# Altium PCB BreakOutBoard_Cyclone.PcbDoc (part 1 of 6) (continued)
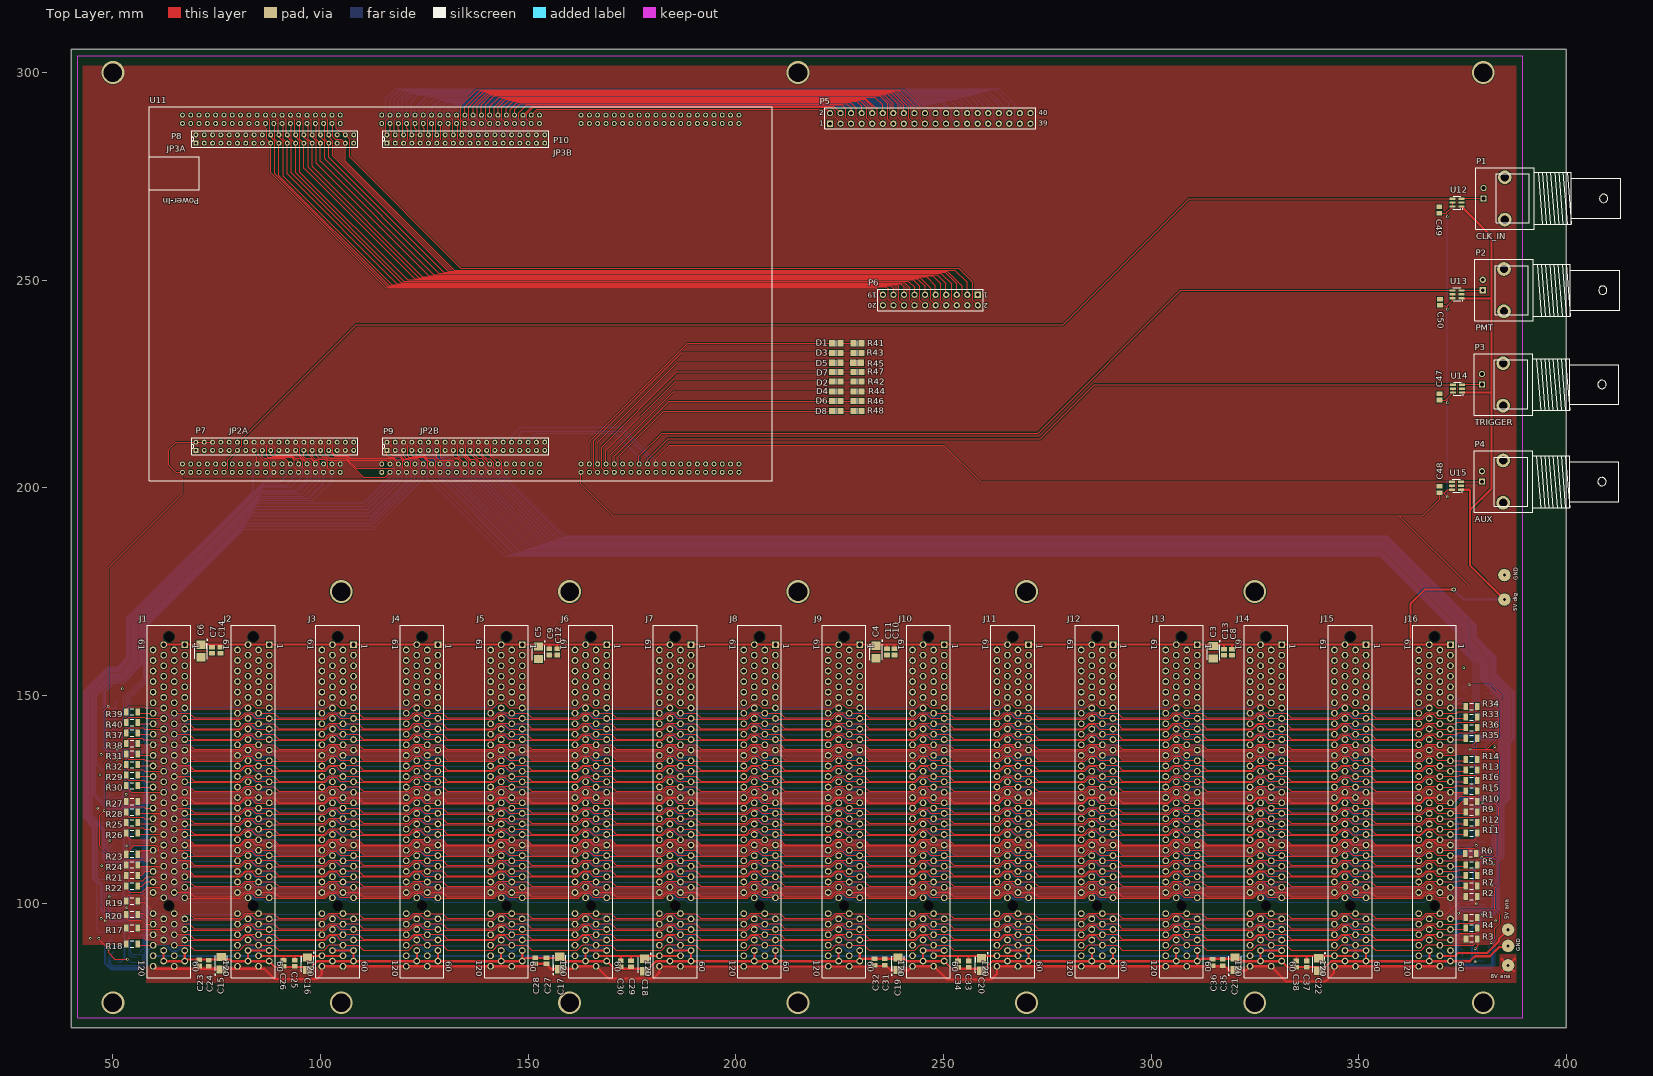
[diagram p0: Top Layer view]
## Part data
C1 C2 C7 C8 C9 C10 C11 C12 C13 C14 C23 C24 C25 C26 C27 C28 C29 C30 C31 C32 C33 C34 C35 C36 C37 C38 C39 C40 C41 C42 C43 C44 C45 C46 C47 C48 C49 C50: "Capacitor (Semiconductor SIM Model)"
C3 C4 C5 C6 C15 C16 C17 C18 C19 C20 C21 C22: "Polarized Capacitor (Radial)"
D1 D2 D3 D4 D5 D6 D7 D8: library part LED3, "Typical BLUE SiC LED"
J1 J2 J3 J4 J5 J6 J7 J8 J9 J10 J11 J12 J13 J14 J15 J16: "Connector Assembly, 60 Dual Position, 1.27 [.050] Series, Standard Edge"
P1 P2 P3 P4: library part BNC, "BNC Elbow Connector"
P5: library part "Header 20X2", "Header, 20-Pin, Dual row"
P6: library part "Header 10X2", "Header, 10-Pin, Dual row"
P7 P8 P9 P10: library part CONN_40_2mm, "2 mm connector 40 positions"
R1 R2 R3 R4 R5 R6 R7 R8 R9 R10 R11 R12 R13 R14 R15 R16 R17 R18 R19 R20 R21 R22 R23 R24 R25 R26 R27 R28 R29 R30 R31 R32 R33 R34 R35 R36 R37 R38 R39 R40: library part Res3, "Resistor"
R41 R42 R43 R44 R45 R46 R47 R48: "Resistor"
U1 U2: library part MAX3094, "Differential Line Receivers"
U3 U4 U5 U6 U7 U8 U9 U10: library part MAX3030, "Differential Line Transmitter"
U11: "ZEM4310 breakout module"
U12 U13 U14 U15: "Logic Translator (Bidirectional)"

## Free pads (board coordinates)
  round 3 hole 0.762: 0(385.1,173.1) 0(385.1,179) 0(386,85) 0(386,89.7) 0(386,93.6)

## Via types
v1: diameter 0.6, hole 0.3, Top Layer to Bottom Layer, 50 vias
v2: diameter 5.5, hole 4.5, Top Layer to Bottom Layer, 15 vias
v3: diameter 1, hole 0.5, Top Layer to Bottom Layer, 1 vias

## Nets (pads, with @x,y where several pads share a name; then routed paths per layer and width w, separated by ;. In a path a pad name is that pad's centre, name@x,y a point inside that pad or via, vN(x,y) a via of type N, cw(c..) or ccw(c..) an arc to the next point about the centre after c; other vN are vias at no path point)
3.3V_DIG: C1.1 C2.1 C39.1 C40.1 C41.1 C42.1 C43.1 C44.1 C45.1 C46.1 C47.2 C48.2 C49.2 C50.2 P7.2 P7.4 P7.6 U1.4 U1.12 U1.16 U2.4 U2.12 U2.16 U3.4 U3.16 U4.4 U4.16 U5.4 U5.16 U6.4 U6.16 U7.4 U7.16 U8.4 U8.16 U9.4 U9.16 U10.4 U10.16 U11.1A1 U11.1C1 U12.5 U12.6 U13.5 U13.6 U14.5 U14.6 U15.5 U15.6 | length 892.6
  Top Layer w0.127: v1(48.9,147.4) 49.4,146.9 v1(49.4,142.5)
  Top Layer w0.3: v1(48.2,95.7) 48.2,99 47.4,99.8 47.4,107.1 v1(48.6,108.3) 48.6,111.9 46.8,113.7 46.8,121.2 v1(47.9,122.3) 47.9,133.7 48.8,134.6 ; v1(50.9,134.6) 48.8,134.6 ; U11.1A1@66.7,203.8 U11.1A1@66.7,203.75 ; U11.1A1@66.75,203.75 U11.1A1@66.7,203.75 ; P7.6@74,211 65.2,211 63.5,209.3 63.5,205.4 65.15,203.75 U11.1A1@66.7,203.75 ; 162.7,202 66.7,202 ; U11.1C1@162.7,203.8 162.7,201 170.4,193.3 359.7,193.3 ; C47.2@369.4,221.1 370.875,221.1 371.287,221.512 ; C49.2@369.4,266.1 371,266.1 ; C48.2@369.5,198.8 369.5,197.3 365.5,193.3 359.7,193.3 ; C48.2@369.5,198.85 370.75,198.85 ; C50.2@369.6,243.9 371.3,243.9 372.625,245.225 U13.6@372.625,245.65 ; 371.3,243.8 371.4,243.7 v1(371.4,243) ; v1(371.4,197.8) 370.75,198.45 370.75,198.85 ; v1(371.4,220.5) 371.287,220.613 371.287,221.512 ; v1(371.4,265.3) 371.4,265.7 371,266.1 ; U15.6@372.4,199.5 U15.6@372.45,199.55 ; U15.5@372.525,200.5 372.4,200.375 372.4,199.6 371.5,199.6 370.75,198.85 ; U13.6@372.55,245.65 U13.6@372.625,245.65 ; U12.6@372.6,267.8 372.625,267.825 U12.5@372.625,268.7 ; U13.5@372.625,246.575 U13.6@372.625,245.65 ; U12.6@372.65,267.75 371,266.1 ; U14.6@372.725,222.95 371.287,221.512 ; U14.6@372.75,222.95 U14.5@372.75,223.75 ; v1@374,97.6 374.8,98.4 382.8,98.4 ; v1(376.9,137.1) 380.9,137.1 ; v1(379.65,111.07) 382.33,111.07 383.6,109.8 383.6,104.5 382.8,103.7 ; v1(379.73,124.16) 382.54,124.16 382.9,123.8 ; v1(381.94,90.51) 381.94,90.64 382.8,91.5 382.8,93.9 384,95.1 384,97.2 382.8,98.4 ; v1@382.1,104.4 382.8,103.7 ; v1(382.1,131) 383.6,129.5 383.6,124.5 382.9,123.8 ; v1(382.165,118.535) 383.2,117.5 ; 382.4,111.1 383.2,111.9 383.2,117.5 ; 383,130.2 383.8,131 383.8,135.4 382.1,137.1 380.9,137.1 ; 48.8,134.6 48.8,136.5 47.7,137.6 47.7,146.2 v1(48.9,147.4) 48.9,180.8 66.7,198.6 66.7,202 ; 66.7,202 U11.1A1@66.7,203.75 ; 359.7,193.3 376.6,176.4 v1(376.6,152.6) 382,152.6 384.4,150.2 384.4,149.4 v1(382.6,147.6) 383.8,146.4 383.8,140 380.9,137.1 ; 382.8,98.4 382.8,103.7 ; 382.9,123.8 383.7,123 383.7,118 383.2,117.5
  Bottom Layer w0.127: C41.1@48.7,94.6 48.745,94.645 U6.16@51,94.645 ; C40.1@48.9,107 48.945,107.045 U5.16@51,107.045 ; v1(48.9,147.4) 49.355,146.945 U1.16@51,146.945 ; C2.1@48.95,134 49.2,134 49.8,134.6 v1(50.9,134.6) ; C39.1@49,120.7 49.055,120.645 U4.16@51,120.645 ; C2.1@49,133.9 49.255,133.645 U3.16@51,133.645 ; v1(49.4,142.5) 50.035,141.865 U1.12@51,141.865 ; U1.12@50.1,142 49.3,141.2 49.3,140.4 49.8,139.9 52.5,139.9 53.8,141.2 56.9,141.2 57.3,141.6 57.3,142.7 56.865,143.135 U1.4@55.8,143.135 ; U1.16@50.7,147 50.7,148.15 C1.1@51,148.45 ; 51.3,123.9 51.4,123.9 ; U6.16@51.8,94.6 52.7,93.7 52.7,86.9 52.2,86.4 49.8,86.4 49.5,86.1 49.5,85.5 50,85 56.8,85 57.146,85.346 57.146,87.4 56.846,87.7 54.6,87.7 54.3,88 54.3,90.3 54.835,90.835 U6.4@55.8,90.835 ; U5.16@51.9,107 52.5,106.4 52.5,99.3 52,98.8 49.9,98.8 49.6,98.5 49.6,97.959 50.159,97.4 56.539,97.4 57.268,98.13 57.27,98.13 57.27,99.73 57,100 54.6,100 54.3,100.3 54.3,102.946 54.589,103.235 U5.4@55.8,103.235 ; U4.16@51.9,120.6 52.5,120 52.5,112.8 52.1,112.4 49.9,112.4 49.6,112.1 49.6,111.254 50.024,110.83 56.43,110.83 57.17,111.57 57.17,113.43 56.9,113.7 54.7,113.7 54.3,114.1 54.3,116.6 54.535,116.835 U4.4@55.8,116.835 ; U3.16@51.9,133.6 52.9,132.6 52.9,127.6 52.346,127.046 52.346,125.7 52.046,125.4 49.6,125.4 49.3,125.1 49.3,124.7 50.1,123.9 51.4,123.9 ; U3.4@55.8,129.835 54.735,129.835 54.1,129.2 54.1,127.2 54.6,126.7 57,126.7 57.4,126.3 57.4,124.5 56.8,123.9 51.4,123.9 ; v1(374.07,97.56) 374.78,97.56 C46.1@375.35,96.99 ; C42.1@375.1,152 375.1,151.245 U2.16@375.8,150.545 ; C46.1@375.16,96.81 375.16,95.395 U10.16@375.67,94.885 ; U9.16@375.7,108.645 376.09,109.035 C45.1@376.09,110.41 ; U8.16@375.7,122.345 C44.1@375.7,123.6 ; C43.1@375.7,136.9 375.8,136.8 U7.16@375.8,135.345 ; C44.1@375.75,123.7 379.4,123.7 v1@379.8,124.1 ; C43.1@375.75,137.1 v1(376.9,137.1) ; U2.12@375.8,145.465 374.565,145.465 374.3,145.2 374.3,144 374.7,143.6 377.5,143.6 378.7,144.8 382.2,144.8 382.5,145.1 382.5,146.3 382.1,146.7 ; C45.1@376.15,110.4 378.98,110.4 v1(379.65,111.07) ; U10.4@380.47,91.075 381.375,91.075 v1(381.94,90.51) ; U9.4@380.5,104.835 381.585,104.835 v1(382.09,104.33) ; U2.4@380.5,146.7 382.1,146.7 ; U7.4@380.6,131.535 381.565,131.535 v1(382.1,131) ; 381.765,118.535 U8.4@380.5,118.535 v1(382.165,118.535) ; v1(382.6,147.6) 382.1,147.1 382.1,146.7
  Bottom Layer w0.3: v1(47.9,122.3) 48.8,121.4 C39.1@48.8,121.1 ; v1(48.2,95.7) 48.85,95.05 C41.1@48.85,94.4 ; C40.1@48.85,107 48.85,108.05 ; v1(371.4,197.8) v1(371.4,220.5) v1(371.4,243) v1(371.4,265.3) ; C42.1@375.2,152.05 376.05,152.05 v1(376.6,152.6)
5V_ANA_BUS: C16.1 C18.1 C20.1 C22.1 C25.2 C26.2 C29.2 C30.2 C33.2 C34.2 C37.2 C38.2 J1.58 J1.118 J2.58 J2.118 J3.58 J3.118 J4.58 J4.118 J5.58 J5.118 J6.58 J6.118 J7.58 J7.118 J8.58 J8.118 J9.58 J9.118 J10.58 J10.118 J11.58 J11.118 J12.58 J12.118 J13.58 J13.118 J14.58 J14.118 J15.58 J15.118 J16.58 J16.118 pad.0@386,93.6 | length 418.5
  Top Layer w0.5: J2.58@85.09,87.312 C16.1@96.588,87.312 ; C26.2@91.1,86.25 91.1,87.2 ; C25.2@93.8,86.25 93.8,87.2 ; C16.1@96.812,87.312 100.312,87.312 J3.118@100.33,87.312 J3.58@105.41,87.312 ; J6.58@166.37,87.312 J7.118@181.61,87.312 J7.58@186.688,87.312 ; C30.2@172.3,86.15 172.3,87.1 ; C29.2@174.8,86.15 174.8,87.1 ; J10.58@247.65,87.312 J11.118@262.89,87.312 J11.58@267.97,87.312 J11.58@267.988,87.312 ; C34.2@253.5,86.05 253.5,87.2 ; C33.2@256.1,86.05 256.1,87.1 ; J14.58@328.93,87.312 J15.118@344.17,87.312 J15.58@349.25,87.312 J15.58@349.288,87.312 ; C38.2@335,86.05 335,87.2 ; C37.2@337.5,86.05 337.5,87.1 ; J16.58@369.6,87.3 373.3,87.3 374,88 381,88 383.8,90.8 383.8,91.4 pad.0@386,93.6
  Bottom Layer w0.5: J1.118@59.69,87.312 J1.58@64.77,87.312 J2.118@80.01,87.312 J2.58@85.09,87.312 J3.118@100.33,87.312 J3.58@105.41,87.312 J4.118@120.65,87.312 J4.58@125.73,87.312 J5.118@140.97,87.312 J5.58@146.05,87.312 J6.118@161.29,87.312 J6.58@166.37,87.312 J7.118@181.61,87.312 J7.58@186.69,87.312 J8.118@201.93,87.312 J8.58@207.01,87.312 J9.118@222.25,87.312 J9.58@227.33,87.312 J10.118@242.57,87.312 J10.58@247.65,87.312 J11.118@262.89,87.312 J11.58@267.97,87.312 J12.118@283.21,87.312 J12.58@288.29,87.312 J13.118@303.53,87.312 J13.58@308.61,87.312 J14.118@323.85,87.312 J14.58@328.93,87.312 J15.118@344.17,87.312 J15.58@349.25,87.312 J16.118@364.49,87.312 369.488,87.312 J16.58@369.5,87.3
5V_DIG_BUS: C3.1 C4.1 C5.1 C6.1 C7.2 C8.2 C9.2 C10.2 C11.2 C12.2 C13.2 C14.2 J1.1 J1.61 J2.1 J2.61 J3.1 J3.61 J4.1 J4.61 J5.1 J5.61 J6.1 J6.61 J7.1 J7.61 J8.1 J8.61 J9.1 J9.61 J10.1 J10.61 J11.1 J11.61 J12.1 J12.61 J13.1 J13.61 J14.1 J14.61 J15.1 J15.61 J16.1 J16.61 pad.0@385.1,173.1 U12.1 U13.1 U14.1 U15.1 | length 475.3
  Top Layer w0.127: J1.1@67.31,162.302 J1.1@67.506,162.106
  Top Layer w0.5: J1.61@62.23,162.243 J1.1@67.31,162.243 J2.61@82.55,162.243 J2.1@87.63,162.243 J3.61@102.87,162.243 J3.1@107.95,162.243 J4.61@123.19,162.243 J4.1@128.27,162.243 J5.61@143.51,162.243 J5.1@148.59,162.243 155.1,162.243 J6.61@163.83,162.243 J6.1@168.91,162.243 J7.61@184.15,162.243 J7.1@189.23,162.243 J8.61@204.47,162.243 J8.1@209.55,162.243 J9.61@224.79,162.243 J9.1@229.87,162.243 236.4,162.243 J10.61@245.11,162.243 J10.1@250.19,162.243 J11.61@265.43,162.243 J11.1@270.51,162.243 J12.61@285.75,162.243 J12.1@290.83,162.243 J13.61@306.07,162.243 J13.1@311.15,162.243 317.6,162.243 J14.61@326.39,162.243 J14.1@331.47,162.243 J15.61@346.71,162.243 J15.1@351.79,162.243 J16.61@367.03,162.243 J16.1@372.058,162.243 ; C9.2@155.1,161.25 155.1,162.2 ; C12.2@157,161.25 157,162.2 ; C11.2@236.4,161.25 236.4,162.1 ; C10.2@238.2,161.25 238.2,162.1 ; C13.2@317.6,161.15 317.6,162.2 ; C8.2@319.5,161.15 319.5,162.2 ; 362.5,162.3 362.5,172.1 365.9,175.5 v3(372.9,175.5) ; U15.1@374.675,199.55 376.75,199.55 376.8,199.5 376.8,194.6 ; U13.1@374.775,245.65 381.95,245.65 382,245.7 ; U12.1@374.775,267.75 382,260.525 382,245.7 ; U14.1@374.875,222.95 381.95,222.95 382,223 ; pad.0@385.1,173.1 376.8,181.4 376.8,194.6 ; 376.8,194.6 382,199.8 382,223 ; 382,223 382,245.7
  Bottom Layer w0.5: v3(372.9,175.5) 375.3,173.1 pad.0@385.1,173.1
8V_BUS: C15.1 C17.1 C19.1 C21.1 C23.2 C24.2 C27.2 C28.2 C31.2 C32.2 C35.2 C36.2 J1.60 J1.120 J2.60 J2.120 J3.60 J3.120 J4.60 J4.120 J5.60 J5.120 J6.60 J6.120 J7.60 J7.120 J8.60 J8.120 J9.60 J9.120 J10.60 J10.120 J11.60 J11.120 J12.60 J12.120 J13.60 J13.120 J14.60 J14.120 J15.60 J15.120 J16.60 J16.120 pad.0@386,85 | length 336.3
  Top Layer w0.5: J1.120@59.69,84.772 60.263,84.2 86.5,84.2 89,81.7 99.1,81.7 100.3,82.9 100.3,84.8 151.1,84.8 151.7,85.4 154.3,85.4 155.6,84.1 160.6,84.1 161.3,84.8 166.4,84.8 169.4,81.8 180.1,81.8 181.6,83.3 181.6,84.7 233.1,84.7 233.3,84.9 236.2,84.9 237.3,83.8 241.6,83.8 242.6,84.8 247.7,84.8 250.9,81.6 261.5,81.6 262.9,83 262.9,84.8 317.8,84.8 318.8,83.8 322.9,83.8 323.9,84.8 328.9,84.8 332.6,81.1 342,81.1 344.1,83.2 344.1,84.7 344.2,84.8 369.5,84.8 J16.60@369.6,84.7 ; 384.4,86.6 pad.0@386,85 ; 384.6,83.6 pad.0@386,85 ; pad.0@385.6,85 pad.0@386,85 ; 387.4,83.6 pad.0@386,85 ; 387.6,86.6 pad.0@386,85
AGND: C15.2 C16.2 C17.2 C18.2 C19.2 C20.2 C21.2 C22.2 C23.1 C24.1 C25.1 C26.1 C27.1 C28.1 C29.1 C30.1 C31.1 C32.1 C33.1 C34.1 C35.1 C36.1 C37.1 C38.1 J1.57 J1.59 J1.117 J1.119 J2.57 J2.59 J2.117 J2.119 J3.57 J3.59 J3.117 J3.119 J4.57 J4.59 J4.117 J4.119 J5.57 J5.59 J5.117 J5.119 J6.57 J6.59 J6.117 J6.119 J7.57 J7.59 J7.117 J7.119 J8.57 J8.59 J8.117 J8.119 J9.57 J9.59 J9.117 J9.119 J10.57 J10.59 J10.117 J10.119 J11.57 J11.59 J11.117 J11.119 J12.57 J12.59 J12.117 J12.119 J13.57 J13.59 J13.117 J13.119 J14.57 J14.59 J14.117 J14.119 J15.57 J15.59 J15.117 J15.119 J16.57 J16.59 J16.117 J16.119 pad.0@386,89.7 | length 434.4
  Top Layer w0.5: J1.119@62.2,86 67.4,86 67.8,86.4 78.2,86.4 78.6,86 87.6,86 89,84.6 97.8,84.6 99.2,86 148.59,86 148.6,86 149.4,86.8 158.4,86.8 159.2,86 169,86 170.8,84.2 179,84.2 180.8,86 229.8,86 230.4,86.6 240.6,86.6 241.2,86 250.2,86 252,84.2 260,84.2 261.8,86 J12.119@285.75,86 ; J1.119@62.23,86.03 J1.119@62.23,86.042 J1.117@62.23,88.582 ; J1.59@67.31,86.09 J1.57@67.31,88.582 ; J2.117@82.5,88.6 82.518,88.582 J2.117@82.55,88.582 ; J2.119@82.55,86.05 J2.117@82.55,88.582 ; J2.57@87.63,88.582 J2.117@82.55,88.582 ; J3.117@102.8,88.6 102.818,88.582 J3.117@102.87,88.582 J3.57@107.95,88.582 J3.59@107.95,86.05 ; J4.119@123.19,86.01 J4.119@123.19,86.042 J4.117@123.19,88.582 ; J4.59@128.27,86.13 J4.57@128.27,88.582 ; J5.119@143.51,86.09 J5.117@143.51,88.582 ; J5.59@148.59,86.01 J5.59@148.59,86.042 J5.57@148.59,88.582 ; J6.119@163.83,86.03 J6.119@163.83,86.042 J6.117@163.83,88.582 ; J6.117@163.9,88.6 163.918,88.582 J6.57@168.91,88.582 ; J7.117@184.1,88.6 184.118,88.582 J7.117@184.15,88.582 J7.57@189.23,88.582 J7.59@189.23,86.042 J7.59@189.23,86.03 ; J8.119@204.47,86.07 J8.117@204.47,88.582 ; J8.59@209.55,86.05 J8.57@209.55,88.582 ; J9.119@224.79,86.01 J9.119@224.79,86.042 J9.117@224.79,88.582 ; J9.59@229.87,86.27 J9.57@229.87,88.582 ; J10.117@245.1,88.6 245.118,88.582 J10.57@250.19,88.582 ; J10.119@245.11,86.09 J10.117@245.11,88.582 ; J11.117@265.4,88.6 265.418,88.582 J11.117@265.43,88.582 J11.57@270.51,88.582 J11.59@270.51,86.09 ; J12.119@285.75,85.85 J12.119@285.75,86 ; J12.117@285.75,88.582 J12.119@285.75,86.042 J12.119@285.75,86 ; J12.59@290.83,85.83 J12.59@290.83,86 ; J12.57@290.83,88.582 J12.59@290.83,86.042 J12.59@290.83,86 ; J13.119@306.07,86.07 J13.117@306.07,88.582 ; J13.59@311.15,86.05 J13.57@311.15,88.582 ; J14.119@326.39,86.01 J14.119@326.39,86.042 J14.117@326.39,88.582 ; J14.117@326.4,88.6 326.418,88.582 J14.57@331.47,88.582 ; J15.117@346.7,88.6 346.718,88.582 J15.57@351.79,88.582 J15.59@351.79,86.042 J15.59@351.79,86 ; J15.59@351.79,85.81 J15.59@351.79,86 ; J16.119@367.03,86.17 J16.117@367.03,88.582 ; pad.0@386,89.4 383.8,89.4 381.6,87.2 378,87.2 376.8,86 J15.59@351.79,86 ; J12.119@285.75,86 J12.59@290.83,86 ; J12.59@290.83,86 311.6,86 312.2,86.6 321.2,86.6 321.8,86 331.4,86 332.8,84.6 342,84.6 343.4,86 J15.59@351.79,86
  Bottom Layer w0.5: J16.59@372.1,86 372.11,86.01 J16.59@372.11,86.042 J16.57@372.11,88.582
AUX_CLK_IN: P7.11 U11.1A11 U12.4 | length 325.4
  Top Layer w0.3: U11.1A11@76.7,203.7 U11.1A11@76.75,203.75 77.7,204.7 77.7,206.8 81,210.1 81,211.7 81.6,212.3 108.6,239.3 278.9,239.3 309.25,269.65 U12.4@372.625,269.65
AUX_IN_1: P9.32 U11.1C20 U15.4 | length 239.2
  Top Layer w0.3: U11.1C20@180.7,205.7 180.7,206.9 184.1,210.3 250.1,210.3 258.95,201.45 U15.4@372.525,201.45
  Bottom Layer w0.127: P9.32@146,211 146,212.5 148.1,214.6 172.5,214.6 180.75,206.35 U11.1C20@180.75,205.75
AUX_IO_0: P6.2 P8.38 U11.2C3 | length 180.9
  Top Layer w0.127: U11.2C3@102.7,289.8 103.8,288.7 103.8,286.6 104.5,285.9 105.1,285.9 P8.38@106,285 107,284 107,279.7 133.8,252.9 253.7,252.9 257.06,249.54 257.06,245.2 P6.2@258.3,243.96
AUX_IO_1: P6.3 P8.37 U11.2C4 | length 176.1
  Top Layer w0.127: U11.2C4@102.75,287.75 103,287.5 103,284.5 103.5,284 105,284 P8.37@106,283 106,278.7 132.238,252.462 252.738,252.462 255.7,249.5 P6.3@255.7,246.5
AUX_IO_2: P6.4 P8.34 U11.2C5 | length 180.3
  Top Layer w0.127: U11.2C5@100.8,289.7 101.8,288.7 101.8,285.2 P8.34@102,285 102,284.5 103,283.5 103,280 130.792,252.208 250.892,252.208 254.52,248.58 254.52,245.2 P6.4@255.76,243.96
AUX_IO_3: P6.5 P8.33 U11.2C6 | length 175.3
  Top Layer w0.127: U11.2C6@100.75,287.75 101,287.5 101,284 P8.33@102,283 102,279.6 129.646,251.954 250.446,251.954 253.2,249.2 P6.5@253.2,246.4
AUX_IO_4: P6.6 P8.32 U11.2C7 | length 180.5
  Top Layer w0.127: U11.2C7@98.8,289.7 99.7,288.8 99.7,285.3 P8.32@100,285 100,284.5 101,283.5 101,279.2 128.5,251.7 249.4,251.7 251.98,249.12 251.98,245.2 P6.6@253.22,243.96
AUX_IO_5: P6.7 P8.31 U11.2C8 | length 175.2
  Top Layer w0.127: U11.2C8@98.75,287.75 98.75,287.45 99,287.2 99,284 P8.31@100,283 100,278.7 100.1,278.6 ; 100.05,278.65 127.33,251.37 248.53,251.37 250.6,249.3 P6.7@250.6,246.5
AUX_IO_6: P6.8 P8.30 U11.2C9 | length 180.6
  Top Layer w0.127: U11.2C9@96.7,289.7 97.8,288.6 97.8,285.3 P8.30@98,285.1 ; P8.30@98,285 98,284.5 99,283.5 99,278.2 99.1,278.1 ; 99.05,278.15 99.1,278.1 ; P6.8@250.68,243.96 250.54,243.96 249.4,245.1 249.4,249.1 247.384,251.116 126.084,251.116 99.1,278.1
AUX_IO_7: P6.9 P8.29 U11.2C10 | length 175.2
  Top Layer w0.127: U11.2C10@96.75,287.75 96.75,287.25 97,287 97,284 P8.29@98,283 98,277.4 98.1,277.3 ; 98.05,277.35 98.1,277.3 ; P6.9@248.1,246.4 248.1,248.7 245.938,250.862 124.538,250.862 98.1,277.3
AUX_IO_8: P6.10 P8.28 U11.2C11 | length 180.1
  Top Layer w0.127: U11.2C11@94.7,289.7 95.8,288.6 95.8,285 P8.28@95.9,284.9 ; P8.28@96,285 96,284.5 97,283.5 97,277.3 97.1,277.2 ; 97.05,277.25 123.692,250.608 244.392,250.608 246.9,248.1 246.9,245.2 P6.10@248.14,243.96
AUX_IO_9: P6.11 P8.27 U11.2C12 | length 174.8
  Top Layer w0.127: U11.2C12@94.75,287.75 94.75,287.25 95,287 95,284 P8.27@96,283 96,277 96.2,276.8 ; 96.1,276.9 96.2,276.8 ; P6.11@245.6,246.5 245.6,248.5 243.746,250.354 122.646,250.354 96.2,276.8
AUX_IO_10: P6.12 P8.26 U11.2C13 | length 180
  Top Layer w0.127: U11.2C13@92.8,289.6 93.8,288.6 P8.26@93.8,285.2 ; P8.26@94,285 94,284.5 95.03,283.47 95.03,276.03 ; 95.05,276.05 121,250.1 242.8,250.1 244.36,248.54 244.36,245.2 P6.12@245.6,243.96
AUX_IO_11: P6.13 P8.25 U11.2C14 | length 174.7
  Top Layer w0.127: U11.2C14@92.75,287.75 93,287.5 93,284 P8.25@94,283 94,275.9 120.1,249.8 241.6,249.8 243.1,248.3 P6.13@243.1,246.5
AUX_IO_12: P6.14 P8.24 U11.2C15 | length 179.5
  Top Layer w0.127: U11.2C15@90.8,289.6 91.8,288.6 P8.24@91.8,285.1 ; P8.24@92,285 92,284.5 93,283.5 93,275.9 119.454,249.446 240.654,249.446 241.9,248.2 241.9,245.12 P6.14@243.06,243.96
AUX_IO_13: P6.15 P8.23 U11.2C16 | length 174.4
  Top Layer w0.127: U11.2C16@90.75,287.75 90.75,287.35 91,287.1 91,284 P8.23@92,283 92,275.6 118.408,249.192 239.708,249.192 240.6,248.3 P6.15@240.6,246.5
AUX_IO_14: P6.16 P8.22 U11.2C17 | length 179.6
  Top Layer w0.127: U11.2C17@88.8,289.7 89.8,288.7 P8.22@89.8,285.2 ; P8.22@90,285 90,284.5 91,283.5 91,275.1 117.162,248.938 238.862,248.938 239.3,248.5 239.3,245.18 P6.16@240.52,243.96
AUX_IO_15: P6.17 P8.21 U11.2C18 | length 173.9
  Top Layer w0.127: U11.2C18@88.75,287.75 89,287.5 89,284 P8.21@90,283 90,275.2 116.516,248.684 237.316,248.684 238,248 P6.17@238,246.4
AUX_IO_16: P6.18 P8.20 U11.2C19 | length 178
  Top Layer w0.127: U11.2C19@86.75,289.75 87.8,288.7 87.8,285.6 ; P8.20@88,285 88,284.5 89,283.5 89,275.6 116.17,248.43 236.17,248.43 236.7,247.9 236.7,245.24 P6.18@237.98,243.96
AUX_IO_17: P6.19 P8.19 U11.2C20 | length 172.3
  Top Layer w0.127: U11.2C20@87,287.5 U11.2C20@86.75,287.75 86.75,286.75 87,286.5 87,284 P8.19@88,283 88,275.9 115.724,248.176 233.724,248.176 P6.19@235.4,246.5
BUS0: P9.24 U10.9 U11.1B29 | length 351.2
  Top Layer w0.127: P9.24@138,211 139,210 139,208 140,207 140.8,207 141.7,206.1 141.7,204.8 U11.1B29@142.75,203.75
  Bottom Layer w0.127: U11.1B29@142.73,203.72 142.73,202.75 157.522,187.958 356.709,187.958 377.938,166.729 377.938,163.759 382.656,159.041 382.656,155.024 387.056,150.624 387.056,139.909 386.002,138.855 386.002,125.332 384.524,123.854 384.524,111.418 383.47,110.364 383.47,98.77 382.15,97.45 381.049,97.45 377.48,93.881 377.48,86.8 376.675,85.995 U10.9@375.67,85.995
BUS0_N: J1.52 J2.52 J3.52 J4.52 J5.52 J6.52 J7.52 J8.52 J9.52 J10.52 J11.52 J12.52 J13.52 J14.52 J15.52 J16.52 R1.1 U10.10 | length 340.2
  Top Layer w0.127: J1.52@64.77,94.972 68.428,94.972 69.6,93.8 80.6,93.8 81.83,95.03 J2.52@85.032,95.03 ; J2.52@85.09,94.972 88.748,94.972 89.92,93.8 100.92,93.8 102.15,95.03 J3.52@105.352,95.03 ; J3.52@105.41,94.972 109.068,94.972 110.24,93.8 121.24,93.8 122.47,95.03 J4.52@125.672,95.03 ; J4.52@125.73,94.972 129.388,94.972 130.56,93.8 141.56,93.8 142.79,95.03 J5.52@145.992,95.03 ; J5.52@146.05,94.972 149.708,94.972 150.88,93.8 161.88,93.8 163.11,95.03 J6.52@166.312,95.03 ; J6.52@166.37,94.972 170.028,94.972 171.2,93.8 182.2,93.8 183.43,95.03 J7.52@186.632,95.03 ; J7.52@186.69,94.972 190.348,94.972 191.52,93.8 202.52,93.8 203.75,95.03 J8.52@206.952,95.03 ; J8.52@207.01,94.972 210.668,94.972 211.84,93.8 222.84,93.8 224.07,95.03 J9.52@227.272,95.03 ; J9.52@227.33,94.972 230.988,94.972 232.16,93.8 243.16,93.8 244.39,95.03 J10.52@247.592,95.03 ; J10.52@247.65,94.972 251.308,94.972 252.48,93.8 263.48,93.8 264.71,95.03 J11.52@267.912,95.03 ; J11.52@267.97,94.972 271.628,94.972 272.8,93.8 283.8,93.8 285.03,95.03 J12.52@288.232,95.03 ; J12.52@288.29,94.972 291.948,94.972 293.12,93.8 304.12,93.8 305.35,95.03 J13.52@308.552,95.03 ; J13.52@308.61,94.972 312.268,94.972 313.44,93.8 324.44,93.8 325.67,95.03 J14.52@328.872,95.03 ; J14.52@328.93,94.972 332.588,94.972 333.76,93.8 344.76,93.8 345.99,95.03 J15.52@349.192,95.03 ; J15.52@349.25,94.972 352.908,94.972 354.08,93.8 365.08,93.8 366.31,95.03 J16.52@369.512,95.03 ; J16.52@369.57,94.932 373.833,94.932 374.1,95.2 377.9,95.2 R1.1@378.6,95.9
  Bottom Layer w0.127: J16.52@369.57,94.932 372.907,94.932 373.412,94.428 373.412,92.808 373.83,92.39 373.83,90.768 374.016,90.582 374.016,88.443 375.06,87.399 U10.10@375.06,87.26
BUS0_P: J1.51 J2.51 J3.51 J4.51 J5.51 J6.51 J7.51 J8.51 J9.51 J10.51 J11.51 J12.51 J13.51 J14.51 J15.51 J16.51 R1.2 U10.11 | length 332.8
  Top Layer w0.127: J1.51@67.31,96.203 67.506,96.006 80.835,96.006 82.032,97.203 83.436,97.203 84.437,96.203 J2.51@87.63,96.203 87.826,96.006 101.155,96.006 102.352,97.203 103.756,97.203 104.757,96.203 J3.51@107.95,96.203 108.146,96.006 121.475,96.006 122.672,97.203 124.076,97.203 125.077,96.203 J4.51@128.27,96.203 128.466,96.006 141.795,96.006 142.992,97.203 144.396,97.203 145.397,96.203 J5.51@148.59,96.203 148.786,96.006 162.115,96.006 163.312,97.203 164.716,97.203 165.717,96.203 J6.51@168.91,96.203 169.106,96.006 182.435,96.006 183.632,97.203 185.036,97.203 186.037,96.203 J7.51@189.23,96.203 189.426,96.006 202.755,96.006 203.952,97.203 205.356,97.203 206.357,96.203 J8.51@209.55,96.203 209.746,96.006 223.075,96.006 224.272,97.203 225.676,97.203 226.677,96.203 J9.51@229.87,96.203 230.066,96.006 243.395,96.006 244.592,97.203 245.996,97.203 246.997,96.203 J10.51@250.19,96.203 250.386,96.006 263.715,96.006 264.912,97.203 266.316,97.203 267.317,96.203 J11.51@270.51,96.203 270.706,96.006 284.035,96.006 285.232,97.203 286.636,97.203 287.637,96.203 J12.51@290.83,96.203 291.026,96.006 304.355,96.006 305.552,97.203 306.956,97.203 307.957,96.203 J13.51@311.15,96.203 311.346,96.006 324.675,96.006 325.872,97.203 327.276,97.203 328.277,96.203 J14.51@331.47,96.203 331.666,96.006 344.995,96.006 346.192,97.203 347.596,97.203 348.597,96.203 J15.51@351.79,96.203 351.986,96.006 365.315,96.006 366.512,97.203 367.916,97.203 368.917,96.203 J16.51@372.11,96.203 375.403,96.203 R1.2@375.8,96.6
  Bottom Layer w0.127: J16.51@372.11,96.203 372.122,96.19 373.156,96.19 373.666,95.68 373.666,92.924 374.12,92.47 374.12,90.838 374.27,90.688 374.27,89.31 U10.11@374.9,88.68
BUS1: P9.23 U10.15 U11.1B28 | length 341.3
  Top Layer w0.127: P9.23@138,209 138,208.5 U11.1B28@140.75,205.75
  Bottom Layer w0.127: U11.1B28@140.76,205.71 141.73,204.74 141.73,202.87 156.896,187.704 356.603,187.704 377.684,166.623 377.684,163.653 382.402,158.935 382.402,154.919 386.802,150.519 386.802,140.014 385.748,138.96 385.748,125.437 384.27,123.959 384.27,111.523 383.216,110.469 383.216,98.979 381.967,97.73 380.97,97.73 376.855,93.615 U10.15@375.67,93.615
BUS1_N: J1.49 J2.49 J3.49 J4.49 J5.49 J6.49 J7.49 J8.49 J9.49 J10.49 J11.49 J12.49 J13.49 J14.49 J15.49 J16.49 R2.1 U10.14 | length 329.3
  Top Layer w0.127: J1.49@67.506,101.206 80.835,101.206 82.032,102.403 83.436,102.403 84.437,101.402 J2.49@87.63,101.402 ; J2.49@87.826,101.206 101.155,101.206 102.352,102.403 103.756,102.403 104.757,101.402 J3.49@107.95,101.402 ; J3.49@108.146,101.206 121.475,101.206 122.672,102.403 124.076,102.403 125.077,101.402 J4.49@128.27,101.402 ; J4.49@128.466,101.206 141.795,101.206 142.992,102.403 144.396,102.403 145.397,101.402 J5.49@148.59,101.402 ; J5.49@148.786,101.206 162.115,101.206 163.312,102.403 164.716,102.403 165.717,101.402 J6.49@168.91,101.402 ; J6.49@169.106,101.206 182.435,101.206 183.632,102.403 185.036,102.403 186.037,101.402 J7.49@189.23,101.402 ; J7.49@189.426,101.206 202.755,101.206 203.952,102.403 205.356,102.403 206.357,101.402 J8.49@209.55,101.402 ; J8.49@209.746,101.206 223.075,101.206 224.272,102.403 225.676,102.403 226.677,101.402 J9.49@229.87,101.402 ; J9.49@230.066,101.206 243.395,101.206 244.592,102.403 245.996,102.403 246.997,101.402 J10.49@250.19,101.402 ; J10.49@250.386,101.206 263.715,101.206 264.912,102.403 266.316,102.403 267.317,101.402 J11.49@270.51,101.402 ; J11.49@270.706,101.206 284.035,101.206 285.232,102.403 286.636,102.403 287.637,101.402 J12.49@290.83,101.402 ; J12.49@291.026,101.206 304.355,101.206 305.552,102.403 306.956,102.403 307.957,101.402 J13.49@311.15,101.402 ; J13.49@311.346,101.206 324.675,101.206 325.872,102.403 327.276,102.403 328.277,101.402 J14.49@331.47,101.402 ; J14.49@331.666,101.206 344.995,101.206 346.192,102.403 347.596,102.403 348.597,101.402 J15.49@351.79,101.402 ; J15.49@351.986,101.206 365.315,101.206 366.512,102.403 367.916,102.403 368.917,101.402 J16.49@372.11,101.402 ; J16.49@372.11,101.282 375.183,101.282 R2.1@375.7,101.8
  Bottom Layer w0.127: J16.49@372.11,101.282 372.11,98.7 374.22,96.59 374.22,93.088 374.79,92.518 U10.14@374.79,92.45